# KiCad board cpu2.kicad_pcb (continued)
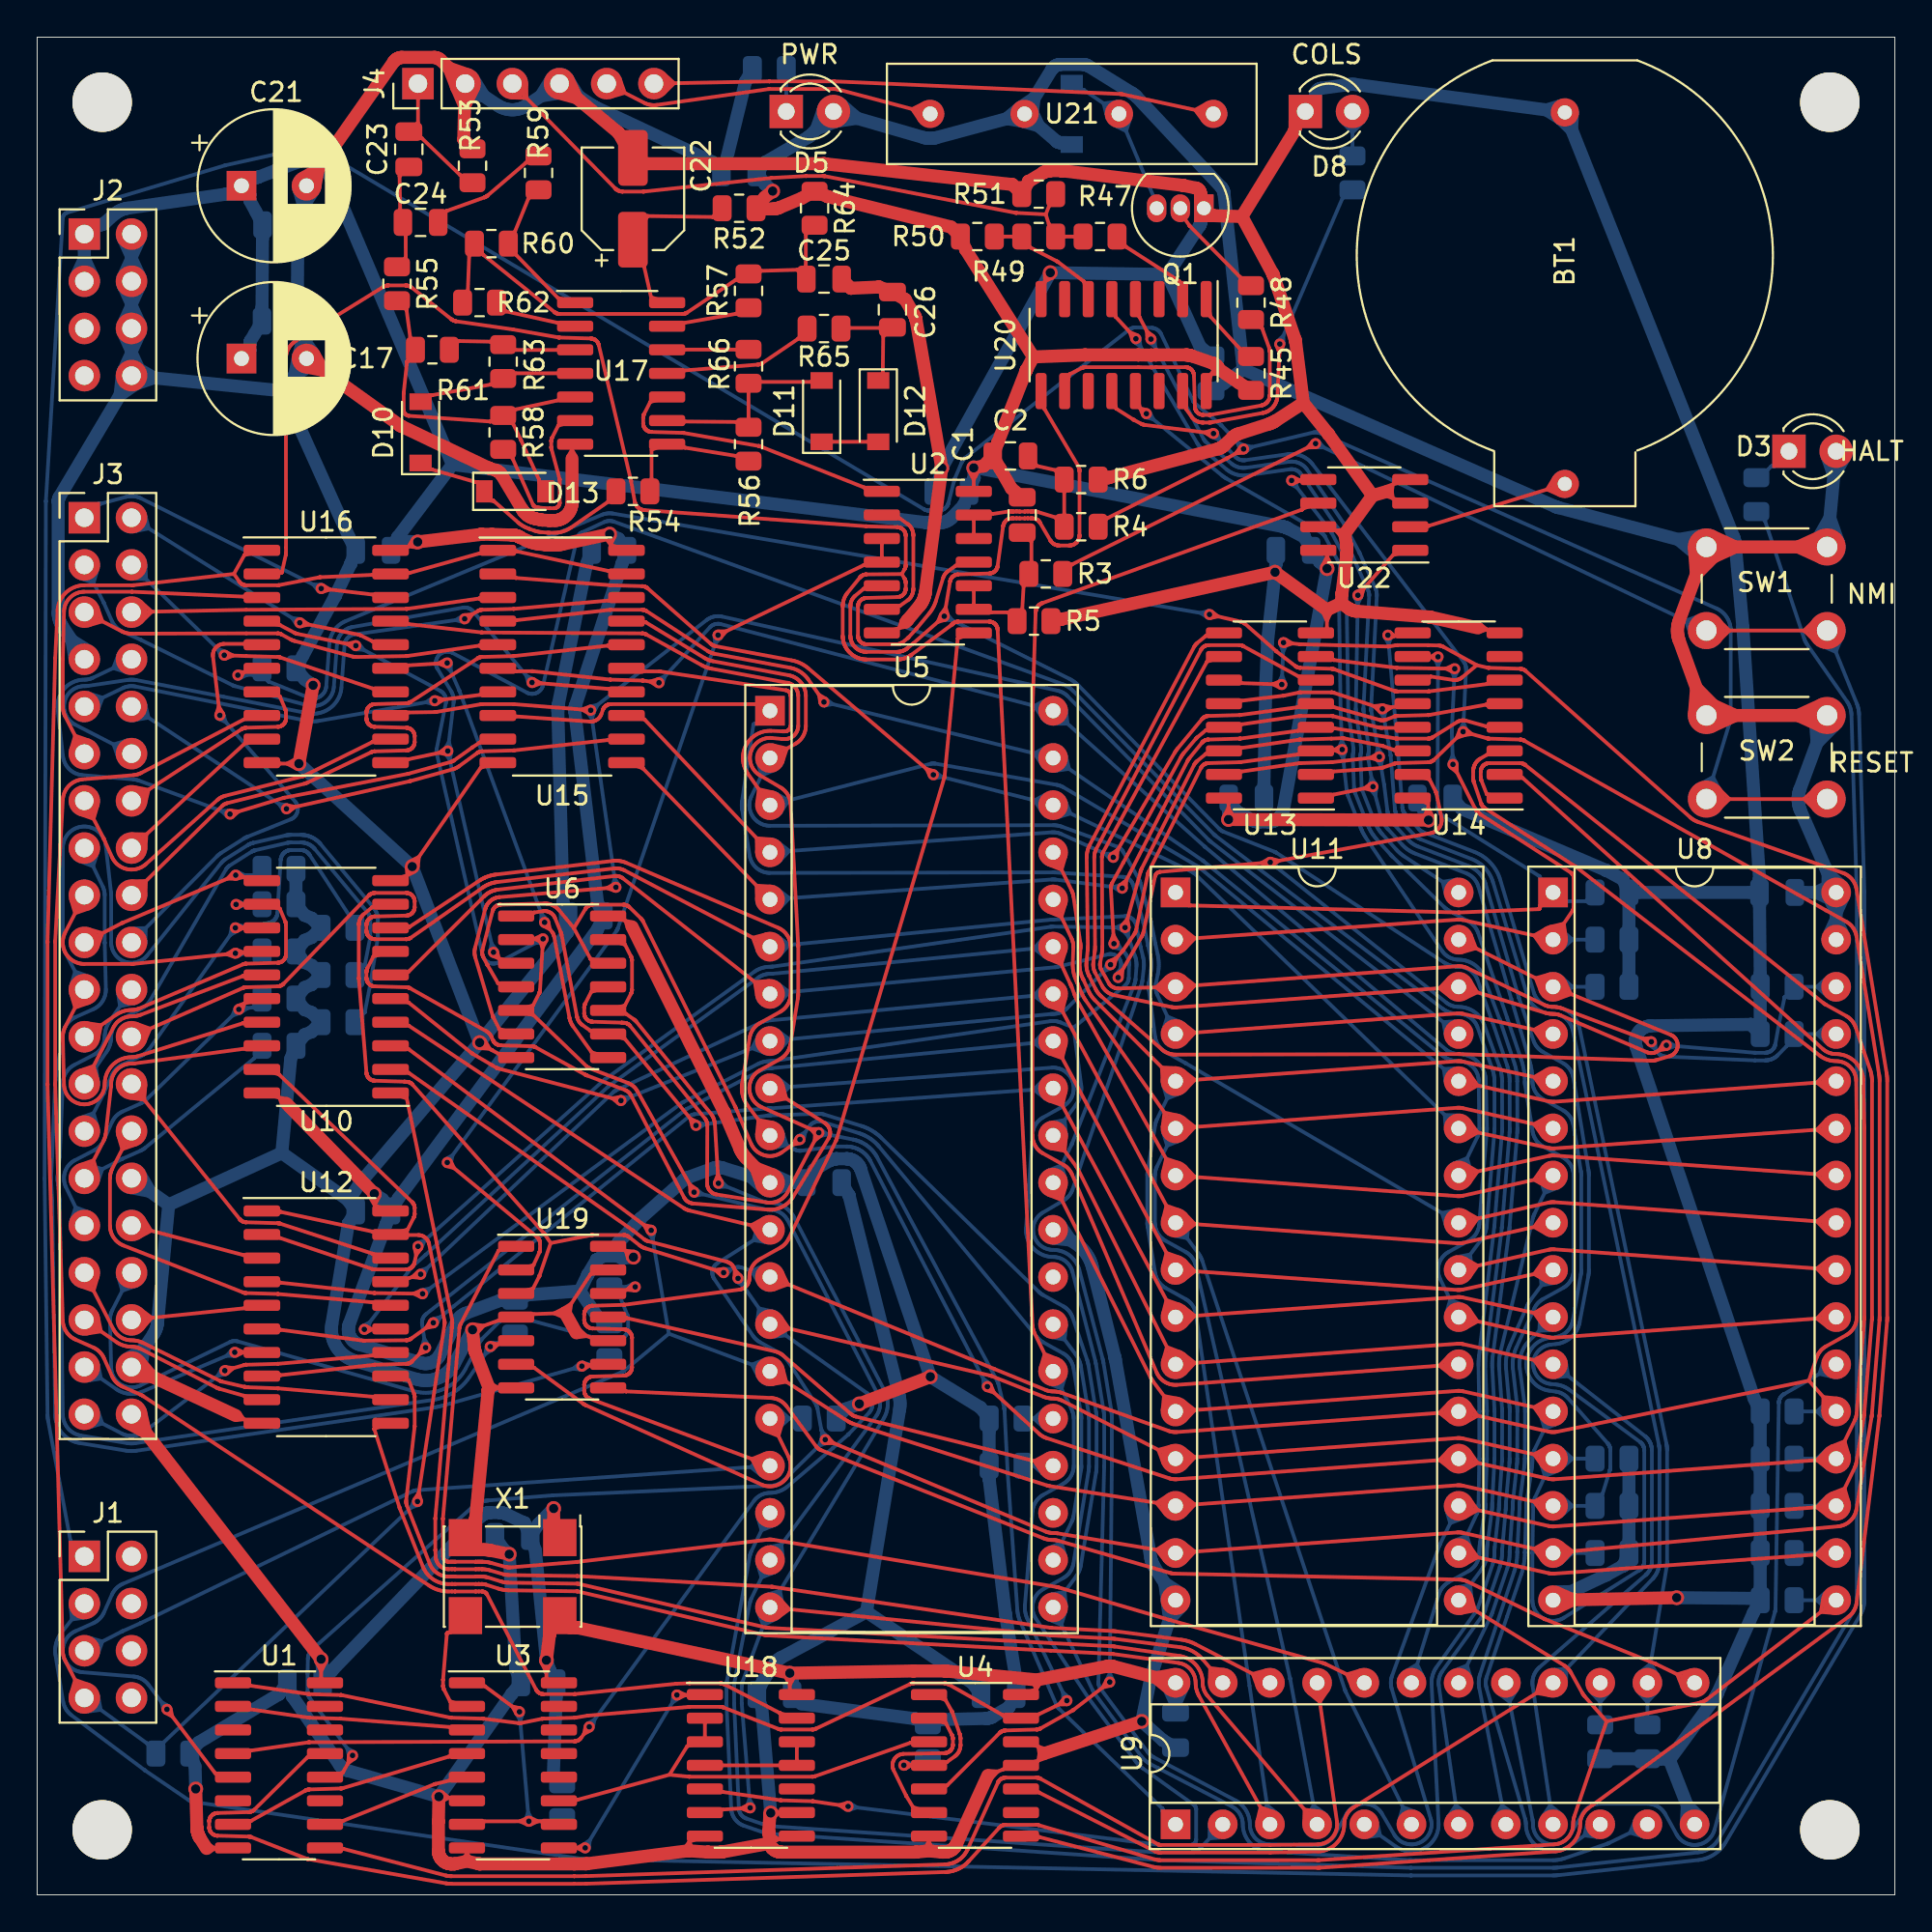
[diagram p0: board, top side]
## Routing (per net, layer and track width the routed paths; a pad name or vN(x,y) marks a point on that pad's centre or on a via; arc(x,y) is an arc through that point) (continued)
Net-(C22-Pad1): length 9.9
  Top w0.2: R52.2 36.36,90.32 36.36,90.32 32.87,90.37 32.87,90.37 C22.1 32.68,87.61 33.05,86 U17.14
Net-(C23-Pad1): length 5.8
  Top w0.2: C23.1 19.51,92.52 19.51,92.51 19.54,90.76 19.54,90.65 C24.1 19.84,89.4 19.84,89.3 19.84,88.15 R55.1
Net-(C24-Pad2): length 6.6
  Top w0.2: C24.2 22.04,90.65 22.05,90.65 24.07,91.37 24.1,91.38 24.15,91.41 24.17,91.42 24.19,91.43 24.23,91.46 24.25,91.47 26.31,93.24 26.31,93.24 R59.2
Net-(C25-Pad1): length 26.5
  Top w0.2: R64.2 41.38,89.37 41.38,87.61 C25.1 40.91,87.48 40.91,87.48 39,87.42 38.89,87.42 R57.1 37.6,86.93 37.59,86.93 34.98,85.17 34.96,85.16 34.94,85.15 34.91,85.13 34.88,85.12 34.87,85.12 34.83,85.11 34.81,85.1 34.79,85.1 34.75,85.1 34.73,85.1 28.13,85.1 28.11,85.1 28.07,85.1 28.05,85.11 28.03,85.11 27.99,85.12 27.97,85.13 27.95,85.14 27.92,85.15 27.9,85.17 27.88,85.18 27.85,85.2 27.84,85.2 24.01,88.29 24,88.29 R60.1 23.25,88.19 23.19,86.41 R62.2
Net-(C26-Pad1): length 5.9
  Top w0.2: R65.2 43.68,84.35 45.41,84.35 C26.1 45.54,83.88 45.52,81.97 45.52,81.87 D12.1
Net-(D3-Pad1): length 2.3
  Bottom w0.2: D3.1 93.5,76.91 93.4,76.91 93.38,76.91 93.36,76.9 93.34,76.89 93.33,76.88 93.17,76.73 R8.2
Net-(D5-Pad1): length 2.3
  Bottom w0.2: D5.1 40.33,96.8 40.33,97.68 R11.2
Net-(D8-Pad2): length 4
  Bottom w0.2: D8.2 R46.1 ; 71.37,95.44 70.81,94.86 70.24,95.44
Net-(D9-Pad2): length 11.5
  Bottom w0.2: 57.59,95.71 57.4,96.43 58.15,96.53 ; D9.2 56.19,97.17 56.29,97.17 56.31,97.17 56.33,97.16 56.35,97.15 U21.2 60.26,91.02 Q1.3 ; 58.86,95.66 58.62,94.95 57.94,95.27
Net-(D10-Pad1): length 12.6
  Top w0.2: R54.1 30.69,74.96 28.75,73.61 28.69,73.57 28.62,73.53 28.55,73.49 28.48,73.46 28.41,73.43 28.34,73.41 28.27,73.38 28.2,73.36 28.12,73.35 28.05,73.34 27.97,73.33 27.9,73.32 27.82,73.32 27.6,73.32 27.57,73.32 27.55,73.32 27.52,73.32 27.49,73.32 27.46,73.33 27.13,73.36 27.07,73.36 27.02,73.37 26.96,73.38 26.91,73.39 26.85,73.41 26.8,73.42 26.74,73.44 26.51,73.52 26.48,73.54 26.44,73.55 26.35,73.59 26.32,73.6 26.29,73.61 26.26,73.63 26.23,73.64 26.21,73.66 26.18,73.67 26.13,73.7 26.09,73.73 26.05,73.75 26.01,73.78 25.96,73.81 25.92,73.85 25.89,73.88 24.59,75.03 24.57,75.04 24.55,75.05 24.53,75.05 24.52,75.05 24.42,75.05 D13.1 23.72,76.05 23.62,76.05 23.59,76.05 21.27,76.72 21.24,76.72 21.14,76.72 D10.1
Net-(D11-Pad1): length 3
  Top w0.2: D12.2 D11.1
Net-(J1-Pad1): length 211.4
  Top w0.2: SW2.2 SW2.2 ; 95.75,58.37 95.11,58.98 95.75,59.6 ; 90.46,58.37 91.09,58.98 90.46,59.6 ; 64.78,77.95 64.52,77.6 64.96,77.63 ; v2(64.94,77.83) 64.07,77.34 64.04,77.32 64,77.3 57.63,74.12 57.62,74.12 R4.2
  Bottom w0.2: 65.02,78.02 64.61,78.18 64.75,77.77 ; 89.44,59.75 90.22,60.17 90.62,59.39 ; SW2.2 91.11,63.1 91.12,63.15 91.13,63.2 91.14,63.24 91.15,63.29 91.16,63.34 91.16,63.39 91.16,63.44 91.17,63.48 91.17,68.06 91.16,68.13 91.16,68.2 91.15,68.27 91.13,68.34 91.12,68.41 91.09,68.48 91.07,68.55 91.04,68.61 91.01,68.68 90.97,68.74 90.93,68.8 90.89,68.86 90.84,68.92 90.8,68.97 90.74,69.02 90.69,69.07 90.63,69.11 90.57,69.15 90.51,69.19 90.45,69.22 90.38,69.26 69.06,78.68 69.04,78.69 69.01,78.7 68.98,78.71 68.95,78.72 68.92,78.72 68.89,78.73 68.86,78.73 68.83,78.73 68.8,78.73 68.77,78.73 68.74,78.73 68.71,78.72 68.68,78.72 v2(64.94,77.83) 63.77,79.08 63.75,79.1 63.73,79.12 63.71,79.13 62.35,80.27 62.33,80.29 62.29,80.33 62.27,80.35 62.26,80.36 62.23,80.4 62.22,80.43 62.21,80.44 60.51,84.01 60.49,84.04 60.47,84.07 60.46,84.09 60.44,84.12 60.42,84.15 60.39,84.17 60.37,84.2 60.34,84.22 60.32,84.24 60.29,84.26 60.26,84.27 60.23,84.29 60.2,84.3 60.17,84.32 60.14,84.33 60.1,84.34 60.07,84.34 60.04,84.35 60.01,84.35 59.97,84.35 59.16,84.38 59.13,84.38 59.1,84.37 59.07,84.37 59.04,84.37 59.01,84.36 58.98,84.35 58.95,84.34 58.93,84.33 58.9,84.32 58.87,84.31 58.85,84.3 58.82,84.28 58.79,84.26 58.77,84.25 49.98,77.38 49.95,77.36 49.93,77.33 49.91,77.31 49.88,77.29 49.86,77.26 49.84,77.24 49.83,77.21 49.81,77.18 49.79,77.15 49.78,77.13 49.76,77.1 49.39,76.23 49.38,76.21 49.37,76.15 49.06,74.95 49.05,74.9 49.04,74.87 49.03,74.86 49.01,74.81 49,74.79 48.99,74.77 48.96,74.73 48.94,74.71 48.93,74.69 48.89,74.66 48.87,74.64 48.85,74.63 48.81,74.6 48.79,74.58 48.77,74.58 48.72,74.55 48.7,74.54 48.68,74.54 48.63,74.53 48.6,74.52 48.59,74.52 48.53,74.51 48.52,74.51 48.02,74.51 47.99,74.52 47.93,74.52 47.91,74.52 47.89,74.53 47.84,74.54 47.81,74.55 47.8,74.56 47.75,74.58 47.73,74.59 15.53,93.74 15.44,93.79 15.35,93.83 15.26,93.87 15.16,93.91 15.07,93.94 14.97,93.96 14.87,93.99 14.77,94 14.67,94.01 14.57,94.02 14.47,94.02 14.36,94.02 14.26,94.01 14.16,93.99 14.06,93.97 10.13,93.1 10.11,93.1 1.6,90.55 1.58,90.54 1.57,90.54 1.55,90.53 1.54,90.52 1.52,90.51 1.51,90.5 1.5,90.49 1.48,90.48 1.47,90.47 1.46,90.46 1.45,90.44 1.44,90.43 1.43,90.41 1.42,90.4 1.41,90.38 1.4,90.37 1.4,90.35 1.39,90.34 1.39,90.32 1.38,90.3 1.38,90.29 1.38,90.27 0.47,75.05 0.47,75.02 0.47,74.98 0.4,38.57 0.4,38.54 0.56,25.85 0.56,25.79 0.56,25.73 0.57,25.68 0.58,25.62 0.58,25.56 0.59,25.51 1.79,19.09 1.79,19.07 1.79,18.97 J1.1 ; 64.98,78.03 65.41,77.94 65.06,77.67
Net-(J1-Pad3): length 221
  Top w0.2: 95.75,67.44 95.11,68.06 95.75,68.68 ; v2(68.82,78.12) 55.72,71.62 55.71,71.62 R3.2 ; SW1.2 SW1.2 ; 90.46,68.68 91.09,68.06 90.46,67.44 ; 68.82,77.92 68.39,77.91 68.66,78.25
  Bottom w0.2: 68.97,78.25 69.25,77.92 68.81,77.92 ; 97.16,67.73 96.82,66.91 96.01,67.26 ; SW1.2 97.95,64.13 97.97,64.07 97.99,64 98.01,63.94 98.03,63.87 98.04,63.81 98.06,63.74 98.06,63.67 98.07,63.6 98.07,63.54 98.36,54.01 98.36,53.96 98.36,15.86 98.36,15.79 98.35,15.72 98.35,15.66 98.34,15.59 98.32,15.52 98.31,15.46 98.29,15.39 98.26,15.33 98.24,15.27 98.21,15.2 98.18,15.14 98.15,15.09 90.88,2.81 ; 2.65,14.94 1.87,14.82 1.79,15.61 ; 89.04,67.76 88.74,68.59 89.57,68.88 ; 90.88,2.81 90.82,2.72 90.76,2.64 90.7,2.55 90.63,2.47 90.55,2.4 90.48,2.33 90.39,2.26 90.31,2.2 90.22,2.14 90.13,2.09 90.03,2.04 89.94,2 89.84,1.97 89.74,1.94 89.64,1.91 89.53,1.89 89.43,1.88 81.9,1.06 81.84,1.05 81.78,1.05 81.72,1.05 81.66,1.05 81.6,1.04 73.98,1.04 73.93,1.05 29.49,1.92 29.46,1.92 29.43,1.92 29.41,1.93 8.43,5 8.4,5 8.37,5.01 8.34,5.02 8.31,5.03 8.28,5.04 8.25,5.05 8.22,5.07 8.19,5.08 8.16,5.1 8.14,5.11 5.83,6.68 5.78,6.71 1.84,9.67 1.8,9.71 1.75,9.75 1.71,9.79 1.67,9.83 1.63,9.88 1.6,9.93 1.56,9.97 1.53,10.02 1.5,10.08 1.48,10.13 1.46,10.18 1.44,10.24 1.42,10.3 1.41,10.35 1.4,10.41 0.99,12.89 0.98,12.97 0.97,13.05 0.97,13.13 0.97,13.21 0.98,13.29 0.99,13.37 1,13.45 1.02,13.53 1.04,13.61 1.07,13.69 1.1,13.76 1.13,13.84 1.17,13.91 1.21,13.98 1.26,14.05 1.31,14.11 J1.3 ; v2(68.82,78.12) SW1.2
Net-(J1-Pad5): length 110.3
  Top w0.2: 29.63,30.58 29.61,30.6 29.59,30.62 29.57,30.64 29.55,30.66 29.53,30.7 29.51,30.72 29.5,30.74 29.49,30.77 ; 29.63,26.77 29.66,26.75 29.69,26.74 29.7,26.73 29.75,26.71 29.75,26.71 39.45,23.1 ; 38.83,22.78 38.47,23.46 39.19,23.75 ; 29.49,30.77 29.48,30.79 29.47,30.82 29.46,30.85 29.45,30.88 29.45,30.93 29.45,30.95 29.45,31.25 29.45,31.28 29.45,31.31 29.46,31.34 29.46,31.36 29.47,31.39 29.48,31.42 29.5,31.46 ; 29.63,30.58 29.66,30.56 29.69,30.55 29.7,30.54 29.74,30.52 29.76,30.51 29.78,30.51 29.81,30.5 29.84,30.49 29.86,30.49 29.9,30.49 31.57,30.44 31.61,30.44 31.64,30.43 31.67,30.43 31.7,30.42 31.73,30.41 31.77,30.39 ; 29.49,26.96 29.48,26.98 29.47,27.01 29.46,27.04 29.45,27.07 29.45,27.12 29.45,27.14 29.45,27.44 29.45,27.47 29.45,27.5 29.46,27.53 29.46,27.55 29.47,27.58 29.48,27.61 29.5,27.65 ; 31.93,28.14 31.95,28.16 31.96,28.19 31.97,28.2 31.99,28.24 32,28.26 32,28.28 32.01,28.31 32.02,28.34 32.02,28.36 32.02,28.4 32.02,28.41 32.02,29.98 32.02,30.01 32.02,30.04 32.01,30.07 32.01,30.09 32,30.12 31.99,30.15 31.98,30.16 31.97,30.19 31.95,30.22 31.94,30.23 31.92,30.26 31.91,30.28 31.89,30.3 31.87,30.32 31.85,30.34 31.81,30.36 31.79,30.38 31.77,30.39 ; 29.73,31.67 29.75,31.68 29.78,31.69 29.81,31.7 29.84,31.7 29.89,31.71 29.9,31.71 31.57,31.76 31.59,31.76 31.63,31.76 37.81,32.58 37.84,32.59 37.88,32.6 37.91,32.6 37.95,32.62 37.98,32.63 38.01,32.64 38.04,32.66 38.07,32.68 38.1,32.7 38.13,32.72 38.15,32.75 38.18,32.77 38.2,32.8 38.22,32.83 38.24,32.86 38.26,32.89 38.28,32.92 38.29,32.95 38.3,32.98 38.31,33.02 38.32,33.05 38.33,33.08 38.34,33.12 38.34,33.15 38.34,33.19 38.34,33.25 38.34,33.31 38.34,33.37 38.35,33.43 38.36,33.49 38.38,33.55 38.39,33.6 38.41,33.66 38.44,33.71 38.46,33.77 38.49,33.82 38.52,33.87 38.56,33.92 38.59,33.97 38.63,34.01 38.67,34.05 38.72,34.09 38.76,34.13 38.81,34.17 38.86,34.2 38.91,34.23 39.99,34.83 40.03,34.86 40.08,34.88 40.12,34.91 40.16,34.95 40.2,34.98 40.24,35.02 40.27,35.06 40.31,35.1 40.34,35.14 40.37,35.18 40.4,35.22 40.42,35.27 40.45,35.32 43,40.58 43.01,40.61 43.02,40.63 43.03,40.66 43.04,40.69 43.05,40.71 43.05,40.74 ; 29.49,26.96 29.5,26.92 29.52,26.9 29.54,26.86 29.56,26.84 29.58,26.82 29.6,26.8 29.62,26.78 29.63,26.77 ; 29.5,27.65 29.51,27.67 29.52,27.69 29.55,27.72 29.56,27.74 29.59,27.77 29.61,27.79 29.63,27.8 29.66,27.83 29.69,27.84 29.73,27.86 29.75,27.87 29.78,27.88 29.81,27.89 29.84,27.89 29.89,27.9 29.9,27.9 31.57,27.95 31.59,27.95 31.62,27.95 31.65,27.96 31.67,27.96 31.7,27.97 31.73,27.98 31.74,27.99 31.77,28 31.8,28.02 31.81,28.03 31.84,28.05 31.86,28.06 31.88,28.08 31.9,28.1 31.92,28.12 31.93,28.13 ; 43.05,40.74 48.83,60.12 48.83,60.14 48.84,60.16 48.84,60.18 48.84,60.2 48.85,60.22 48.85,60.23 49.56,67.63 49.56,67.64 U2.8 ; 29.5,31.46 29.51,31.48 29.52,31.5 29.55,31.53 29.56,31.55 29.59,31.58 29.61,31.6 29.63,31.61 29.66,31.64 29.69,31.65 29.73,31.67
  Bottom w0.2: 39.01,22.55 38.41,23.03 38.94,23.58 ; 39.45,23.1 20.43,21.78 20.4,21.78 20.38,21.78 20.35,21.77 20.33,21.77 20.3,21.76 20.28,21.75 20.25,21.74 20.23,21.73 20.21,21.72 5.59,14.64 5.55,14.62 4.61,14.2 4.58,14.19 4.55,14.17 J1.5 ; 2.75,13.86 3.51,13.64 3.25,12.89
Net-(Q1-Pad2): length 5.7
  Top w0.2: Q1.2 61.53,90.56 62.02,89.86 62.04,89.84 62.06,89.82 64.75,87.09 64.75,87.09 R48.1
Net-(R7-Pad1): length 21.2
  Top w0.2: 26.38,4.14 25.99,3.96 26.39,3.78 ; 26.55,4.14 26.95,3.96 26.55,3.78 ; U3.10 27.11,3.96 v2(26.47,3.96) 24.11,3.96 U3.7 ; v2(25.96,9.85) 24.11,11.22 24.11,11.23 23.14,11.42 ; 25.79,9.76 25.58,10.14 26.01,10.05
  Bottom w0.2: 26.55,4.15 26.95,3.97 26.56,3.78 ; 26.15,9.79 26.01,9.38 25.79,9.75 ; R7.1 27.66,3.99 27.56,3.99 v2(26.47,3.96) v2(25.96,9.85) ; 26.64,4.06 26.43,4.44 26.28,4.03
Net-(R8-Pad1): length 146.7
  Bottom w0.2: U5.18 38.45,18.5 38.43,18.47 38.42,18.44 38.41,18.4 38.39,18.36 38.38,18.33 38.37,18.29 38.36,18.26 38.36,18.22 37.13,11.5 37.12,11.46 37.12,11.42 37.11,11.35 37.11,11.31 37.11,11.27 37.11,11.25 37.11,10.31 37.11,10.27 37.11,10.25 37.36,4.64 37.37,4.58 37.37,4.52 37.38,4.47 37.4,4.41 37.42,4.35 37.44,4.3 37.46,4.25 37.49,4.19 37.52,4.14 37.55,4.1 37.58,4.05 37.62,4.01 37.66,3.96 37.7,3.92 37.75,3.89 37.79,3.85 37.84,3.82 37.89,3.79 37.94,3.76 38,3.74 38.05,3.72 39.12,3.35 39.16,3.34 39.2,3.33 39.25,3.32 39.29,3.31 39.33,3.3 39.37,3.3 39.41,3.29 60.4,1.87 60.45,1.87 73.91,1.46 73.96,1.45 73.98,1.45 81.6,1.45 81.65,1.46 81.7,1.46 81.75,1.46 81.8,1.46 81.85,1.47 89.38,2.28 89.47,2.29 89.55,2.31 89.63,2.33 89.71,2.35 89.79,2.38 89.86,2.42 89.94,2.45 90.01,2.49 90.08,2.54 90.14,2.59 90.21,2.64 90.27,2.7 90.33,2.76 90.38,2.82 90.44,2.88 90.48,2.95 90.53,3.02 97.8,15.29 97.82,15.34 97.84,15.38 97.86,15.43 97.88,15.47 97.9,15.52 97.91,15.57 97.92,15.61 97.93,15.66 97.94,15.71 97.95,15.76 97.95,15.81 97.95,15.86 97.95,53.96 97.95,53.99 97.66,63.52 97.66,63.59 97.65,63.65 97.65,63.71 97.63,63.78 97.62,63.84 97.6,63.9 97.58,63.96 97.55,64.02 97.53,64.07 97.5,64.13 97.46,64.18 97.43,64.24 95.28,67.31 95.25,67.35 95.23,67.39 95.21,67.43 95.18,67.47 95.16,67.51 95.14,67.56 95.13,67.6 95.11,67.64 93.02,73.94 93.02,73.95 R8.1 ; 39.71,19.91 38.99,19.62 38.78,20.36
Net-(R9-Pad1): length 3.2
  Bottom w0.2: 54.22,25.12 53.65,25.64 54.22,26.16 ; U5.25 R9.1
Net-(R10-Pad1): length 10
  Top w0.2: 47.03,6.98 47.13,6.98 U4.4 48.98,7.16 48.98,7.16 49.39,7.45 49.42,7.47 49.45,7.5 49.48,7.52 49.5,7.54 49.52,7.57 49.55,7.6 49.57,7.63 49.59,7.66 49.61,7.69 49.62,7.72 49.64,7.75 49.65,7.78 49.66,7.82 49.67,7.85 49.68,7.9 49.69,7.92 49.69,7.94 49.7,7.96 49.7,7.98 49.7,8.04 49.71,8.08 49.71,8.09 49.71,8.39 49.7,8.43 49.7,8.45 49.7,8.5 49.7,8.52 49.69,8.54 49.69,8.56 49.68,8.58 49.68,8.6 ; 47.03,6.98 46.76,7.15 ; 47.03,6.98 46.76,6.81 ; 47.03,6.98 v2(46.65,6.98) ; 49.68,8.6 49.67,8.65 49.66,8.67 49.27,9.81 49.26,9.84 49.24,9.88 49.24,9.89 48.9,10.49 U4.1
  Bottom w0.2: v2(46.65,6.98) 47.25,7.04 R10.1 ; 46.72,7.17 47.13,7.03 46.76,6.81
Net-(R45-Pad1): length 4
  Top w0.2: U20.1 63.17,84.95 63.17,84.95 64.72,83.25 R45.1
Net-(R46-Pad2): length 20.6
  Top w0.2: 66.71,83.41 66.87,83 67.07,83.39 ; v2(66.89,83.48) 66.76,80.69 66.76,80.66 66.76,80.62 66.76,80.6 66.75,80.58 66.75,80.56 66.75,80.54 66.74,80.52 66.74,80.5 66.73,80.45 66.72,80.43 66.71,80.41 66.71,80.39 66.7,80.37 66.69,80.35 66.68,80.34 66.66,80.3 66.65,80.28 66.65,80.26 66.63,80.24 66.62,80.22 66.61,80.2 66.6,80.19 66.58,80.15 66.56,80.13 66.55,80.12 66.54,80.1 66.52,80.08 66.51,80.07 66.5,80.05 66.46,80.02 66.45,80.01 66.43,79.99 66.42,79.98 66.4,79.97 66.39,79.96 66.37,79.94 66.33,79.92 66.32,79.91 66.3,79.89 66.28,79.88 66.26,79.87 66.24,79.86 66.22,79.85 66.18,79.84 66.16,79.83 66.15,79.82 66.13,79.81 66.11,79.81 66.09,79.8 66.07,79.79 66.01,79.78 65.98,79.77 65.97,79.77 63.24,79.27 63.2,79.26 63.17,79.26 63.13,79.25 63.09,79.25 63.08,79.25 62.78,79.25 62.74,79.25 62.72,79.26 62.67,79.26 62.65,79.26 62.63,79.27 62.61,79.27 62.59,79.27 62.54,79.29 62.51,79.3 62.48,79.31 62.44,79.32 62.41,79.34 62.38,79.35 62.35,79.37 62.32,79.39 62.29,79.41 62.26,79.43 62.24,79.46 62.21,79.48 62.19,79.51 62.16,79.54 62.14,79.57 61.85,79.97 61.85,79.98 U20.15
  Bottom w0.2: R46.2 70.25,91.29 v2(66.89,83.48) ; 66.76,83.63 67.08,83.92 67.09,83.49
Net-(R47-Pad1): length 5.1
  Top w0.2: U20.2 61.47,86.87 61.47,86.88 58.62,88.71 58.62,88.71 R47.1
Net-(R48-Pad2): length 18.7
  Top w0.2: U20.10 55.58,81.86 55.59,81.86 56.22,82.18 56.25,82.2 ; R48.2 65.94,84.33 65.94,84.33 66.32,83.28 66.33,83.24 66.34,83.19 66.35,83.16 66.35,83.15 66.35,83.09 66.36,83.08 66.36,80.72 66.35,80.7 66.35,80.64 66.34,80.62 66.34,80.6 66.33,80.56 ; 66.33,80.56 66.32,80.53 66.31,80.51 66.29,80.46 66.28,80.44 66.27,80.42 66.23,80.38 66.22,80.36 66.21,80.34 66.17,80.31 66.15,80.29 66.13,80.28 66.09,80.25 66.07,80.23 66.05,80.23 66,80.2 65.98,80.19 65.96,80.19 65.9,80.17 65.89,80.17 63.16,79.67 63.13,79.67 63.09,79.66 63.08,79.66 62.78,79.66 62.75,79.66 62.72,79.67 62.69,79.67 62.67,79.68 62.64,79.69 62.61,79.69 62.6,79.7 62.57,79.72 62.54,79.73 62.53,79.74 62.5,79.76 62.48,79.78 62.46,79.79 62.44,79.81 62.42,79.83 62.4,79.87 62.38,79.89 62.37,79.92 62.35,79.95 62.34,79.98 62.34,79.99 62.33,80.03 62.33,80.05 62.32,80.11 62.32,80.11 62.27,81.78 62.27,81.8 62.27,81.84 62.26,81.86 62.26,81.88 62.25,81.91 62.24,81.94 62.23,81.96 62.22,81.99 62.21,82.01 62.2,82.03 62.17,82.06 62.16,82.08 62.15,82.09 62.12,82.11 62.1,82.13 62.06,82.16 62.04,82.17 62.02,82.18 61.98,82.2 61.96,82.21 61.94,82.22 61.91,82.22 61.88,82.23 61.83,82.23 61.81,82.23 60.24,82.23 60.23,82.23 60.02,82.23 59.98,82.22 59.93,82.22 59.28,82.23 56.43,82.23 56.41,82.23 56.37,82.23 56.34,82.23 56.32,82.22 56.29,82.21 56.27,82.2 56.25,82.2
Net-(R49-Pad2): length 6.6
  Top w0.2: R50.2 R49.2 53.47,88.67 53.47,88.67 54.86,87.95 54.88,87.94 54.9,87.93 54.91,87.92 54.93,87.91 54.95,87.9 54.96,87.89 56.34,86.85 56.34,86.85 U20.6
Net-(U2-Pad2): length 7.3
  Top w0.2: U2.2 46.44,74.09 46.44,74.09 46.85,73.8 46.88,73.78 46.91,73.75 46.94,73.73 46.96,73.71 46.98,73.68 47.01,73.65 47.03,73.62 47.05,73.59 47.07,73.56 47.08,73.53 47.1,73.5 47.11,73.47 47.12,73.43 47.13,73.4 47.14,73.37 ; U2.6 46.44,69.39 46.44,69.39 46.85,69.68 46.88,69.7 46.91,69.73 46.94,69.75 46.96,69.77 46.98,69.8 47.01,69.83 47.03,69.86 47.05,69.89 47.07,69.92 47.08,69.95 47.1,69.98 47.11,70.01 47.12,70.05 47.13,70.08 47.14,70.13 47.15,70.15 47.15,70.17 47.16,70.19 47.16,70.21 47.16,70.27 47.17,70.31 47.17,70.32 47.17,73.16 47.16,73.2 47.16,73.22 47.16,73.27 47.16,73.29 47.15,73.31 47.15,73.33 47.14,73.35 47.14,73.37
Net-(U3-Pad2): length 6.1
  Top w0.2: 23.05,15.03 22.25,14.13 22.15,14.13 22.14,14.13 22.12,14.12 22.1,14.12 22.09,14.11 22.08,14.1 22.07,14.08 22.06,14.07 22.05,14.05 22.05,14.04 21.85,11.59 21.85,11.56 21.85,11.27 21.85,11.24 21.85,11.2 21.86,11.18 21.86,11.16 21.87,11.12 21.88,11.1 21.9,11.06 21.9,11.05 22.22,10.42 U3.2
Net-(U4-Pad2): length 9.5
  Top w0.2: U4.2 48.92,9.24 48.92,9.24 49.24,8.6 49.26,8.56 49.27,8.54 49.28,8.52 49.29,8.49 49.29,8.46 49.29,8.44 49.3,8.4 49.3,8.39 49.3,8.09 49.29,8.06 49.29,8.03 49.29,8 49.28,7.98 49.27,7.95 49.26,7.92 49.26,7.91 49.24,7.88 49.23,7.85 49.22,7.84 49.2,7.81 ; 49.2,7.81 49.19,7.79 49.17,7.77 49.14,7.75 49.12,7.73 49.11,7.72 49.08,7.7 49.06,7.69 49.04,7.68 49.01,7.66 48.98,7.65 48.97,7.65 48.93,7.64 48.91,7.63 48.89,7.63 48.84,7.63 46.64,7.59 46.61,7.58 46.57,7.58 46.53,7.57 46.5,7.57 46.46,7.56 46.43,7.54 46.4,7.53 46.36,7.51 46.33,7.5 46.3,7.48 46.27,7.46 46.25,7.43 46.22,7.41 46.2,7.38 46.17,7.35 46.15,7.32 46.13,7.29 46.11,7.26 46.1,7.23 46.08,7.2 46.07,7.16 46.06,7.13 46.05,7.09 46.05,7.06 46.04,7.02 46.04,6.99 46.04,6.95 46.05,6.91 46.05,6.88 46.06,6.84 46.07,6.81 46.08,6.77 46.09,6.74 46.11,6.71 46.78,5.34 46.79,5.31 47.14,4.73 47.15,4.72 U4.6
Net-(U13-Pad11): length 136.9
  Top w0.2: 67.19,67.58 67.57,67.36 67.16,67.22 ; U4.8 53.84,3.11 53.94,3.11 53.96,3.11 60.09,1.5 60.15,1.49 60.2,1.48 60.26,1.47 60.31,1.46 60.37,1.46 60.42,1.46 60.48,1.45 68.9,1.45 68.93,1.45 68.96,1.46 69,1.46 69.03,1.46 69.06,1.46 81.7,2.34 81.79,2.35 81.87,2.36 81.95,2.38 82.03,2.4 82.11,2.43 82.19,2.46 82.27,2.5 82.34,2.54 82.41,2.58 82.48,2.63 82.55,2.68 82.61,2.74 82.67,2.8 82.72,2.86 82.78,2.93 82.82,3 82.87,3.07 82.91,3.14 82.94,3.22 82.97,3.3 83,3.38 83.02,3.46 83.04,3.54 83.05,3.63 83.06,3.71 83.06,3.8 83.06,3.85 83.07,3.91 83.07,3.96 83.08,4.02 83.1,4.07 83.11,4.13 83.13,4.18 83.15,4.23 83.18,4.28 83.2,4.33 83.23,4.38 83.26,4.43 83.3,4.47 83.33,4.51 83.37,4.55 83.41,4.59 83.46,4.63 83.5,4.66 97.5,14.97 97.54,15 97.59,15.04 97.63,15.08 97.67,15.12 97.7,15.16 97.74,15.21 97.77,15.25 97.8,15.3 97.83,15.35 97.85,15.4 97.87,15.45 97.89,15.51 97.91,15.56 97.92,15.61 97.93,15.67 97.94,15.73 99.16,25.74 99.17,25.78 99.17,25.83 99.58,30.88 99.58,30.92 99.59,30.97 99.59,31.01 99.59,31.06 99.59,31.1 99.59,43.8 99.59,43.87 99.59,43.95 99.58,44.02 99.57,44.1 99.57,44.17 99.55,44.24 97.94,54.14 97.92,54.2 97.91,54.26 97.89,54.31 97.87,54.37 97.85,54.42 97.82,54.48 97.79,54.53 97.76,54.58 97.73,54.63 97.69,54.67 97.65,54.72 97.61,54.76 97.57,54.8 97.52,54.84 97.47,54.87 97.42,54.9 97.37,54.93 97.32,54.96 97.26,54.99 97.21,55.01 89.42,57.75 89.37,57.77 89.32,57.79 89.26,57.82 89.21,57.84 89.17,57.87 89.12,57.9 89.07,57.93 89.03,57.97 88.98,58.01 80.12,65.89 80.1,65.9 80.07,65.93 80.04,65.94 80.03,65.95 ; U14.11 75.01,65.58 75.03,65.58 76.22,65.4 76.25,65.39 76.28,65.39 76.31,65.39 76.35,65.39 76.38,65.4 76.41,65.4 76.44,65.41 76.47,65.41 76.5,65.42 76.53,65.44 76.56,65.45 76.59,65.46 76.62,65.48 76.65,65.5 76.67,65.51 76.7,65.53 77.49,66.2 ; v2(67.09,67.41) 67.95,67.32 68,67.32 68,67.32 72.7,67.2 72.72,67.2 72.74,67.2 72.76,67.2 72.78,67.2 72.8,67.2 72.82,67.21 73.14,67.26 73.17,67.27 73.21,67.27 73.22,67.27 74.87,67.27 74.88,67.27 75.43,67.25 75.45,67.25 75.48,67.25 75.51,67.25 75.53,67.24 75.56,67.23 75.58,67.23 75.61,67.22 75.63,67.21 75.66,67.2 75.68,67.19 75.7,67.18 77.49,66.2 ; 77.49,66.2 78.07,66.06 78.1,66.05 78.16,66.05 78.16,66.05 79.83,66 79.87,66 79.9,65.99 79.93,65.99 79.96,65.98 79.99,65.97 80.03,65.95 ; 66.92,65.34 66.52,65.17 66.91,64.97 ; U13.11 64.86,65.23 v2(67,65.15)
  Bottom w0.2: 66.91,67.33 67.07,66.93 67.27,67.32 ; v2(67.09,67.41) v2(67,65.15) ; 67.18,65.23 67.02,65.63 66.82,65.24
Net-(U18-Pad1): length 15.9
  Top w0.2: 34.52,10.94 34.92,10.76 34.52,10.57 ; 29.06,2.53 29.41,2.71 ; 29.06,2.53 29.41,2.35 ; 29.06,2.53 28.96,2.53 U3.9 ; 29.06,2.53 v2(29.5,2.53) ; v2(34.44,10.76) 35.07,10.76 U18.1
  Bottom w0.2: 34.24,10.78 34.19,10.34 34.55,10.59 ; 29.7,2.51 29.75,2.94 29.39,2.69 ; v2(29.5,2.53) v2(34.44,10.76)
Net-(U18-Pad2): length 24.5
  Top w0.2: U4.3 47.13,8.19 47.03,8.19 47.01,8.19 47,8.18 41.87,6.39 41.85,6.38 41.82,6.37 41.79,6.36 41.77,6.36 41.73,6.36 41.72,6.36 35.12,6.36 35.09,6.36 35.06,6.36 34.04,6.47 ; U18.2 U18.3 35,8 34.99,8 34.04,6.47 ; U3.11 28.96,5.11 29.07,5.12 29.09,5.12 34.04,6.47
Net-(U18-Pad11): length 6.2
  Top w0.2: U18.4 U18.11 U18.12
Net-(U19-Pad2): length 55.6
  Top w0.2: v2(36.65,67.81) 44.49,71.58 44.5,71.58 U2.4 U2.3 ; 36.65,68.01 37.09,68.02 36.81,67.68 ; v2(22.08,39.42) 26.9,35.41 26.93,35.39 26.95,35.37 26.97,35.35 26.98,35.33 27,35.31 27.01,35.28 27.02,35.27 27.04,35.23 27.05,35.21 27.05,35.19 27.06,35.16 27.07,35.13 27.07,35.11 27.07,35.07 27.07,35.06 27.07,34.76 27.07,34.73 27.07,34.7 27.06,34.67 27.06,34.65 27.05,34.62 27.04,34.59 27.03,34.58 26.72,33.9 26.72,33.9 U19.2 ; 22.02,39.23 22.45,39.12 22.26,39.51
  Bottom w0.2: v2(36.65,67.81) 31.26,52.03 31.25,52 31.22,51.95 31.21,51.93 31.2,51.91 31.17,51.87 v2(22.08,39.42) ; 36.45,67.79 36.5,67.36 36.8,67.67 ; 21.98,39.6 22.36,39.81 22.27,39.38

## Text on the board
B.Silkscreen: TRS-80 CPU MEM BOARD / REV2 A. Wilson 2022 | AUDIO IN | GND | AUDIO OUT | MOTOR
